# KiCad board sun3_60_layout2_routing2.kicad_pcb (continued)
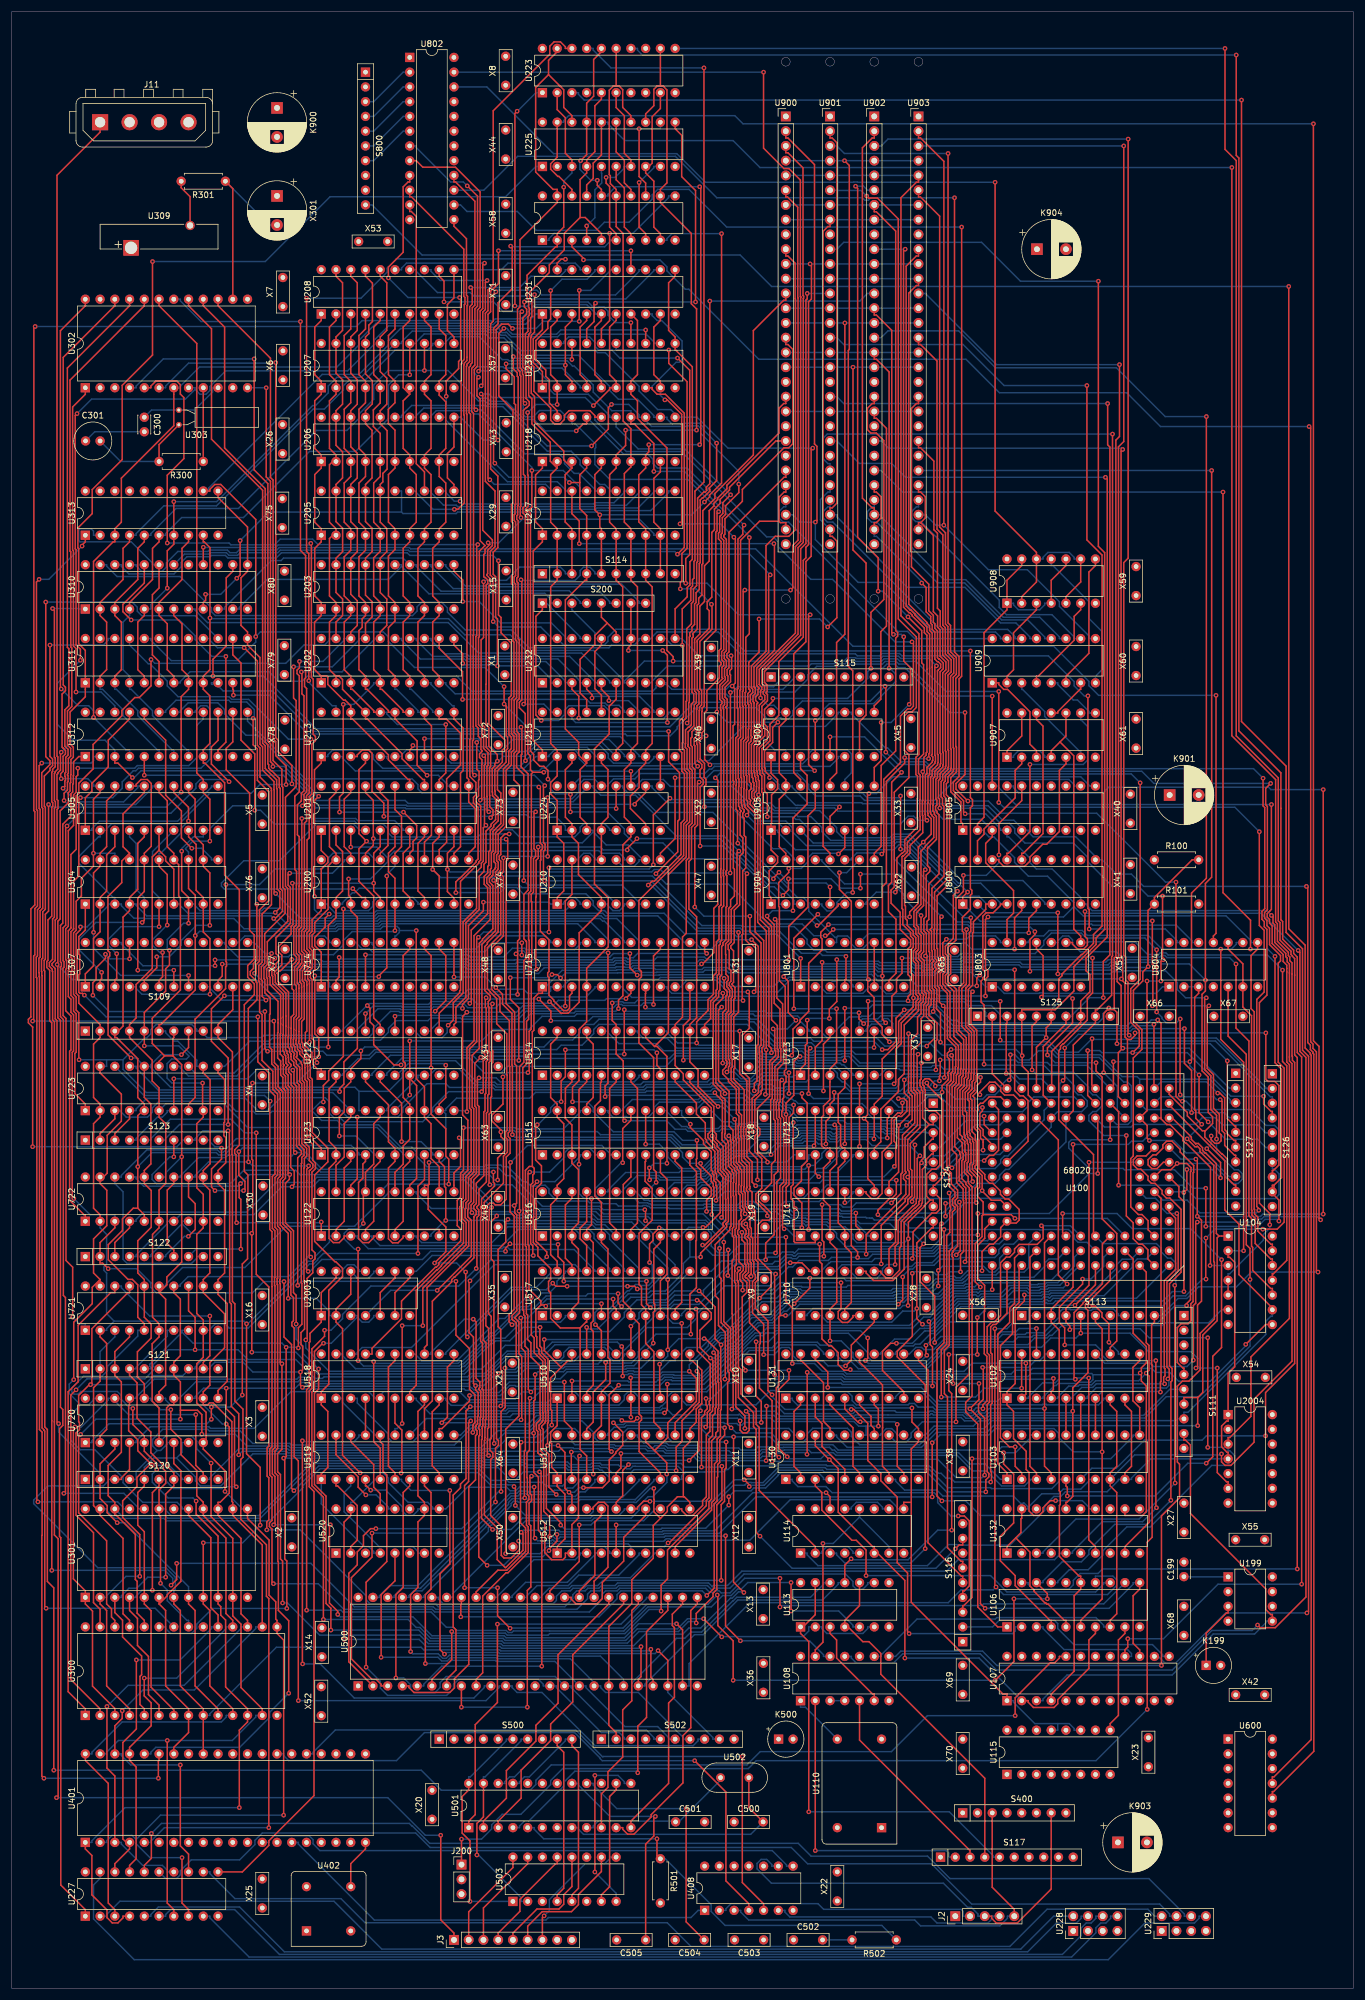
[diagram p0: board, top side]
## Nets (continued)
/sun3_60_mmu_diag/SA22: U200.15 U202.6 U203.6 U205.6 U206.6 U207.6 U208.6 U213.13
/sun3_60_mmu_diag/SA23: U200.14 U202.7 U203.7 U205.7 U206.7 U207.7 U208.7 U213.12
/sun3_60_mmu_diag/SA24: U200.13 U202.8 U203.8 U205.8 U206.8 U207.8 U208.8 U213.11
/sun3_60_mmu_diag/TYPE0X: S200.3 U215.16 U232.16
/sun3_60_mmu_diag/TYPE1X: S200.1 U215.15 U232.17
/sun3_60_mmu_diag/WE.PMAP0-: U202.11 U231.13 U232.2
/sun3_60_mmu_diag/WE.PMAP2-: U205.11 U206.11 U231.15
/sun3_60_mmu_diag/WE.PMAP3-: U207.11 U208.11 U231.17
/sun3_60_mmu_diag/WE.SMAP-: U200.12 U201.12 U231.18
/sun3_60_mmu_diag/WE.STAT-: U203.11 U232.18
/sun3_60_mmu_diag/WR.CX-: U210.9 U230.19
/sun3_60_mmu_diag/WR.DIAG-: U227.11 U230.13
/sun3_60_mmu_diag/WR.SYSEN-: U225.11 U230.17
/TEST0-: S116.2 U107.13
/TEST1-: S116.3 U102.11 U103.11
/TEST2-: S116.4 U130.1
/TEST3-: S116.5 U131.11
/TEST4-: S116.6 U310.13 U311.13 U313.11 U715.14
/TEST6-: S116.8 U714.11
/V.INT-: U307.10 U805.12
/WDOG-: U107.14 U223.3
/WRITE-: U104.6 U122.1 U230.7 U231.7 U232.7 U311.9 U312.9 U313.9 U710.3 U711.3 U712.3 U713.3 U800.7
/XACK-: U130.15 U131.7 U518.7 U715.7
Net-(C300-Pad2): C300.2 C301.1
Net-(C301-Pad2): C301.2 R300.2 U303.1
Net-(C502-Pad2): C502.2 R502.2
Net-(J2-Pin_2): J2.2 U408.2
Net-(J2-Pin_3): J2.3 S400.7 U408.9
Net-(J2-Pin_4): J2.4 U408.6
Net-(J2-Pin_5): J2.5 S400.3 U408.3
Net-(U100-RESET-): U100.27
Net-(U108-Pad3): U108.3 U108.4
Net-(U110-OUT): U108.1 U110.8
Net-(U199-CT): K199.1 U199.3
Net-(U199-REF): C199.1 U199.1
Net-(U225-Q1): U225.5 U226.4
Net-(U225-Q2): U225.6 U226.7
Net-(U225-Q4): U225.12 U226.13
Net-(U225-Q5): U225.15 U226.14
Net-(U302-OIN): C300.1 U302.10 U303.2
Net-(U302-OOUT): R300.1 U302.9
Net-(U302-VBAK): R301.1 U302.14 X301.2
Net-(U309--): R301.2 U309.2
Net-(U401-PCLK): U401.20 U402.5
Net-(U401-RXDA): U401.13 U408.8
Net-(U401-RXDB): U401.27 U408.4
Net-(U401-TXDA): U401.15 U408.1
Net-(U401-TXDB): U401.25 U408.5
Net-(U501-PF): C505.1 U501.17
Net-(U501-RF): C504.1 U501.16
Net-(U501-TSEL): R501.1 R502.1 U501.5
Net-(U501-X1): C500.2 U501.8 U502.2
Net-(U501-X2): C501.1 U501.9 U502.1
Net-(U803-D1): U108.11 U803.9

Pads without a net: J200 3; S111 2 3 4 10; S113 7 9; S114 10; S115 4 5 6 7 8 9 10; S116 7 9 10; S117 6 7 8 9 10; S120 10; S121 10; S122 10; S123 10; S124 10; S125 10; S126 10; S127 10; S400 1 2 5 6; S500 2 3 4 5 8; S502 4; S800 8 9; U100 14 29 42 54 65 77 78 81 120 141 169; U102 15 16; U103 12 13 19; U106 16; U107 17 18 19 21 22 23; U110 1; U113 8; U114 11 15; U115 1 2 3 4 5 6 7 15; U199 6; U210 14; U225 2; U307 16 17 18 19 20; U311 19; U312 11; U313 13 14 16 17; U401 6 10 11 14 16 17 23 24 26 29 30; U402 1; U408 10 11 12 13; U500 12 13; U503 3 6 11 14; U518 16; U520 3 6 11 14; U600 1 2 3 4 5 6 8 9 12 13; U714 16; U715 15 22; U805 13 14 15 19; U900 19; U901 19; U902 19; U903 19; U906 12; U2004 8 9 10 11 12 13

## Via types
v1: diameter 0.8, hole 0.4, Top to Bottom, 1275 vias

## Routing (per net, layer and track width the routed paths; a pad name or vN(x,y) marks a point on that pad's centre or on a via; arc(x,y) is an arc through that point)
+12V: length 380.9
  Top w0.25: J11.1 15.24,319.6 7.82,312.18 7.82,212.18 7.96,212.03 7.96,209.94 7.51,209.49 7.51,209.34 7.37,209.2 7.37,204.5 7.54,204.33 7.54,203.35 7.37,203.18 7.37,184.43 7.06,184.12 7.06,177.17 6.51,176.62 6.51,175.97 7.01,175.47 7.01,175.15 7.06,175.1 7.06,166.76 7.37,166.44 7.37,97.54 7.37,97.54 7.37,78.07 8.01,77.42 8.01,33.12 v1(7.73,32.84) ; v1(73.92,26.37) 73.92,11.81 76.2,9.53 J3.1
  Bottom w0.25: v1(7.73,32.84) 64.8,32.84 71.27,26.37 v1(73.92,26.37)
/AS: length 233.4
  Top w0.25: U103.9 191.78,88.77 192.91,89.89 192.91,99.35 191.78,100.47 U102.9 ; U104.2 209.56,125.87 209.84,125.87 210.69,125.02 210.69,107.02 209.56,105.89 U2004.1 209.56,97.67 209.28,97.67 208.43,96.82 208.43,93.24 209.38,92.3 209.56,92.3 U2004.4 ; v1(212.23,127) 212.23,159.46 208.29,163.4 v1(208.29,178.93)
  Bottom w0.25: v1(212.23,127) U104.2 ; U114.1 137.03,74.94 137.03,74.66 138.9,72.79 157.75,72.79 161.38,76.42 162.87,76.42 162.96,76.32 171.97,76.32 177.96,82.31 177.96,83.12 179.55,84.71 180.73,84.71 181.54,85.51 188.72,85.51 190.66,87.45 190.66,87.64 U103.9 192.91,87.64 192.91,87.87 196.22,91.18 U2004.4 ; 174,180.08 175.13,180.08 175.13,180.26 176.09,181.22 177.79,181.22 178.73,182.15 184.44,182.15 185.29,181.3 195.8,181.3 198.17,178.93 v1(208.29,178.93) 210.11,178.93 210.97,179.79 210.97,180.08 U804.9
/AS-: length 145.9
  Top w0.25: 204.32,101.73 205.2,102.61 205.2,112.49 207.67,114.96 207.67,129.23 207.98,129.54 ; 204.32,101.73 v1(204.32,96.89) ; 204.32,101.73 201.94,101.73 S111.7 ; U100.131 199.94,149.86 203.23,146.57 203.23,146.18 203.99,145.42 204.05,145.48 204.43,145.48 205.16,144.75 205.16,144.28 205.58,143.85 205.68,143.85 207.53,142 207.53,129.99 207.98,129.54 ; U104.1 207.98,129.54 ; U131.19 135.91,108.09 136.05,108.09 139.86,104.29 139.86,97.62 140.99,96.49 U130.17
  Bottom w0.25: U130.17 142.11,95.26 142.11,94.98 143.93,93.16 156.74,93.16 159.32,95.74 167.99,95.74 169.14,96.89 v1(204.32,96.89)
/BERR-: length 282.5
  Top w0.25: v1(79.09,97.7) 78.72,97.34 78.72,87.27 78.03,86.58 v1(78.03,68.98) ; v1(169.43,53.05) 172.66,56.28 v1(172.66,67.08) ; U100.106 195.41,143.33 193.87,143.33 193.24,142.69 193.24,141.79 193.96,141.06 194.53,141.06 195.76,139.82 195.76,139.19 196.34,138.61 196.96,138.61 198.19,137.39 198.19,136.82 198.94,136.07 199.52,136.07 201.46,134.14 201.46,123.33 199.46,121.34 199.46,107.2 199.91,106.75 199.91,104.65 199.7,104.43 v1(199.7,84.04) ; U106.18 178.42,67.98 v1(178.42,67.08) ; v1(121.56,67.74) 121.66,67.64 121.66,62.47 124.3,59.83 v1(124.3,53.05) ; v1(74.11,97.39) 75.07,98.36 75.07,106.97 76.2,108.09 U518.11 ; v1(85.87,62) 83.71,64.16 v1(83.71,68.98)
  Bottom w0.25: v1(78.03,68.98) v1(83.71,68.98) ; U106.18 177.67,69.86 177.67,70.14 180.97,73.44 184.28,73.44 185.58,74.74 185.58,75.46 190.02,79.9 195.55,79.9 v1(199.7,84.04) ; v1(178.42,67.08) v1(172.66,67.08) ; v1(74.11,97.39) 78.78,97.39 v1(79.09,97.7) ; v1(169.43,53.05) v1(124.3,53.05) ; v1(121.56,67.74) 119.96,66.14 109.43,66.14 105.33,62.04 85.91,62.04 v1(85.87,62)
/C.S3: length 280.7
  Top w0.25: v1(139.62,134.95) 139.62,128.81 139.92,128.51 v1(139.92,126.06) ; U904.1 130.82,187.83 130.5,188.15 130.5,192.4 131.95,193.85 131.95,194.9 130.82,196.02 U905.1 130.82,200.53 130.91,200.61 130.91,205.51 131.95,206.55 131.95,208.11 130.82,209.23 U906.1 ; U114.2 138.44,76.07 128.77,85.74 128.77,96.6 128.25,97.12 128.25,99.77 125.65,102.37 125.65,106.54 125.2,107 125.2,114.21 125.2,114.21 125.2,121.55 125.14,121.61 125.14,121.77 125.01,121.9 125.01,123.25 125.5,123.74 125.48,123.74 v1(125.3,123.92) ; v1(151.56,135.24) 153.19,136.87 153.19,140.19 153.46,140.46 153.46,140.55 153.46,146.89 155.58,149 155.58,153.84 155.58,153.84 155.58,153.95 154.95,154.57 154.95,155.93 154.95,155.93 154.95,163.3 156.06,164.41 156.06,167.23 156.67,167.84 156.67,169.55 157.04,169.93 157.04,170.87 157.12,170.94 157.12,171.12 156.79,171.45 156.79,174.92 156.77,174.94 156.77,176.74 156.24,177.27 156.24,178.25 156.48,178.49 156.48,178.5 156.67,178.68 156.67,181.29 156.22,181.74 156.22,182.74 155.88,183.07 155.88,185.23 157.1,186.45 157.1,192.32 v1(157.39,192.62)
  Bottom w0.25: 152,196.05 152.88,196.93 153.5,196.93 157.39,193.04 v1(157.39,192.62) ; 152,196.05 135.02,196.05 131.95,199.12 131.95,199.4 U905.1 ; 152,196.05 152,194.51 162.89,183.62 164.88,183.62 165.24,183.26 186.03,183.26 186.22,183.07 200.62,183.07 203.35,180.34 203.35,180.08 U804.12 ; v1(139.92,126.06) 135.64,126.06 135.22,125.64 134.49,125.64 134.29,125.83 134.19,125.83 134.17,125.81 133.53,125.81 132,124.28 125.65,124.28 v1(125.3,123.92) ; v1(139.62,134.95) 142.81,134.95 143.23,134.52 144.79,134.52 145.51,135.24 v1(151.56,135.24) ; U114.2 139.57,74.94 139.57,75.22 140.42,76.07 144.09,76.07 144.94,75.22 144.94,74.94 U114.5
/C.S3-: length 415.8
  Top w0.25: U230.8 110.35,275.6 110.35,275.32 111.19,274.47 112.62,274.47 115.88,271.21 115.88,248.12 v1(114.7,246.94) ; U805.3 168.93,198.27 167.8,197.15 167.8,193.82 172.6,189.02 172.6,185.15 171.47,184.02 U803.13 ; v1(155.16,123.12) 155.16,112.29 152.56,109.69 152.56,108.75 157.38,103.93 v1(157.38,75.72) ; v1(163.46,123.38) 163.46,126.36 163.99,126.88 163.99,135.69 163.92,135.76 163.92,137.62 162.79,138.75 162.79,143.57 162.02,144.35 162.02,155.21 162.65,155.84 162.65,155.88 162.74,155.97 162.74,157.23 163.02,157.51 163.02,158.48 163.1,158.56 163.1,162.3 161.65,163.75 161.65,171.49 160.85,172.29 160.85,172.49 160.4,172.94 160.4,174.62 160.85,175.08 160.85,177.49 160.4,177.94 160.4,180.01 v1(161.03,180.64) ; v1(130.68,243.38) 130.41,243.11 130.41,230.03 127.89,227.51 127.89,224.15 127.89,224.14 127.89,224.11 128.12,223.89 128.12,223.82 128.12,222.95 127.71,222.55 127.71,221.57 127.89,221.39 127.89,221.31 127.89,216.9 128.08,216.71 127.82,216.45 127.82,215.85 128.18,215.5 128.18,215.39 127.83,215.05 127.83,214.55 127.44,214.16 127.44,209.26 127.55,209.15 127.55,208.51 127.73,208.34 127.73,207.72 127.88,207.57 127.88,207.11 127.86,207.09 127.86,206.36 127.49,206 127.49,205.02 128.02,204.5 v1(128.02,204.1)
  Bottom w0.25: U805.3 167.03,201.29 160.47,201.29 159.07,202.69 142.31,202.69 141.76,203.24 135.26,203.24 135.26,203.25 131.58,203.25 130.72,204.1 v1(128.02,204.1) ; U310.18 29.78,246.96 34.01,246.96 34.25,247.2 36.98,247.2 37.44,246.75 38.91,246.75 39.37,247.2 45.85,247.2 46.29,247.63 51.05,247.63 51.05,247.63 52.03,247.63 52.03,247.63 68.33,247.63 68.56,247.4 114.24,247.4 v1(114.7,246.94) 127.12,246.94 v1(130.68,243.38) ; v1(161.03,180.64) 164.48,180.64 165.06,181.21 169.48,181.21 170.34,180.36 170.34,180.08 U803.13 ; U231.8 110.35,288.3 110.35,288.02 111.19,287.17 111.98,287.17 115.5,283.65 115.5,280.45 115.02,279.98 114.46,279.98 110.35,275.86 110.35,275.6 U230.8 ; U114.3 142.11,74.94 142.11,74.66 143.53,73.24 154.9,73.24 v1(157.38,75.72) ; v1(163.46,123.38) 161.55,123.38 161.05,122.89 159.29,122.89 158.78,123.4 155.43,123.4 v1(155.16,123.12)
/C.S5: length 37.9
  Top w0.25: U108.13 138.44,58.29 139.76,59.6 v1(139.76,76.61)
  Bottom w0.25: v1(139.76,76.61) 141.53,76.61 146.06,81.15 ; U114.7 151.15,76.07 146.06,81.15 ; 146.06,81.15 U114.12
/CAS-: length 274.8
  Top w0.25: U104.13 217.18,128.13 216.93,128.13 214.67,130.38 214.67,132.78 214.11,133.34 214.11,134.13 214.05,134.19 214.05,168.15 213.51,168.69 213.51,177.82 214.64,178.95 U804.8 ; U908.10 181.62,244.99 179.09,242.45 U908.4 ; U908.13 174,244.99 171.47,242.45 U908.1 171.47,237.37 167.51,233.42 167.51,201.65 166.38,200.53 U805.2 ; v1(168.19,184.48) 167.76,184.04 167.76,175.62 168.18,175.19 168.18,174.21 167.76,173.79 v1(167.76,170.87)
  Bottom w0.25: U908.4 177.96,238.5 177.96,238.21 177.11,237.37 173.44,237.37 172.59,238.21 172.59,238.5 U908.1 ; U805.2 167.51,199.4 167.51,199.12 168.36,198.27 169.19,198.27 172.77,194.7 172.77,193.88 175.16,191.49 178.46,191.49 182.99,186.96 182.99,186.27 ; v1(168.19,184.48) 181.2,184.48 182.99,186.27 ; U715.6 105.27,172.46 105.27,172.18 106.82,170.63 122.83,170.63 123.03,170.83 154.61,170.83 155.11,171.33 159.28,171.33 159.74,170.87 v1(167.76,170.87) ; U804.8 213.51,180.08 213.51,180.35 209.21,184.66 184.59,184.66 182.99,186.27
/CDIS-: length 55.2
  Top w0.25: S111.5 201.94,106.81 201.76,106.81 200.82,107.76 200.82,113.77 201.48,114.43 202.66,114.43 203.13,114.9 203.13,117.87 203.52,118.26 203.52,140.41 203.62,140.51 203.62,141.68 201.3,144.01 201.3,144.46 199.89,145.87 198.95,145.87 198.32,145.23 198.32,144.67 197.16,143.51 196.6,143.51 195.78,142.69 195.78,141.79 196.41,141.15 197.32,141.15 198.4,142.24 U100.92
/CLK: length 325
  Top w0.25: v1(125.54,59.85) 122.99,62.41 v1(122.99,77.94) ; v1(92.68,77.79) 92.68,81.12 91.66,82.14 91.66,91.19 90.65,92.2 90.65,95.89 90.4,96.15 90.4,97.29 91.09,97.98 91.09,98.9 91.04,98.95 91.04,107.16 89.46,108.74 89.46,111.16 88.89,111.72 88.89,115.94 88.67,116.15 88.67,127.69 88.51,127.86 88.51,133.27 88.58,133.34 88.58,134.32 88.51,134.39 88.51,140.84 89.19,141.52 89.7,141.52 ; U2003.8 68.58,122.34 66.04,119.8 U2003.6 ; U715.1 91.44,171.33 90.77,171.33 89.97,170.53 89.97,164.97 89.7,164.7 89.7,141.52 ; v1(89.87,126.19) 89.78,126.28 89.78,127.86 89.41,128.23 89.41,132.9 89.48,132.97 89.48,134.69 89.41,134.76 89.41,138.35 89.78,138.71 89.78,140.05 90.02,140.3 90.02,141.2 89.7,141.52
  Bottom w0.25: v1(92.68,77.79) 93.29,77.79 93.64,77.44 94.24,77.44 94.52,77.71 112.43,77.71 112.59,77.88 122.93,77.88 v1(122.99,77.94) ; v1(89.87,126.19) 72.43,126.19 69.71,123.47 U2003.8 ; v1(125.54,59.85) 137.45,59.85 139.86,57.44 139.86,57.16 U108.12 ; U804.1 198.27,172.46 197.13,171.32 177.79,171.32 177.7,171.41 177.1,171.41 177,171.32 171,171.32 169.86,172.46 U803.1 167.8,172.46 165.32,174.94 159.45,174.94 158.95,174.44 155.2,174.44 154.59,175.05 149.23,175.05 148.78,175.5 125.37,175.5 125.27,175.4 123.62,175.4 123.25,175.77 119.26,175.77 118.91,175.43 110.94,175.43 110.72,175.65 107.28,175.65 106.99,175.36 105.46,175.36 105.41,175.4 104.3,175.4 104.19,175.29 94.84,175.29 92,172.46 U715.1
/CLK-: length 572.6
  Top w0.25: U804.5 209.56,163.96 212.69,160.82 212.69,128.05 213.33,127.4 v1(213.33,122.06) ; v1(90.02,86.33) 90.02,77.67 v1(90.17,77.52) ; U114.9 153.69,83.69 154.98,83.69 ; v1(3.62,166.55) 3.8,166.73 3.8,177.75 4,177.95 4,185.91 4.46,186.36 4.46,202.8 4.28,202.98 4.28,242.16 v1(4.74,242.61) ; U313.1 12.7,249.07 12.14,248.51 v1(12.14,248.34) ; v1(47.65,118.81) 47.65,130 46.72,130.93 46.72,130.99 46.27,131.44 46.27,139.23 46.72,139.68 46.72,140.32 46.72,140.32 46.72,154.36 46.47,154.61 46.47,154.67 46.38,154.76 46.38,154.77 45.9,155.24 45.9,158.75 45.26,159.39 45.26,166.45 v1(45.17,166.55) ; 154.98,83.69 154.98,92.89 156.22,94.13 156.22,96.39 155.1,97.52 v1(155.1,99.94) ; 154.98,83.69 154.98,66.48 170.79,50.67 171.47,50.67 U107.1 ; v1(60.03,88.76) 57.01,91.79 57.01,113.59 55.88,114.72 U2003.2 55.88,116.97 58.42,119.51 U2003.12
  Bottom w0.25: U115.11 183.04,44.46 183.04,44.74 182.19,45.59 180.21,45.59 ; v1(213.33,122.06) 213.33,110.59 204.63,101.89 198.91,101.89 195.23,98.21 168.68,98.21 168.19,97.72 166.58,97.72 165.67,96.82 158.91,96.82 157.35,95.26 156.22,95.26 ; U131.1 134.49,101.6 134.49,101.32 135.39,100.42 144.94,100.42 145.42,99.94 v1(155.1,99.94) ; U107.1 172.59,49.54 172.59,49.26 176.26,45.59 180.21,45.59 ; 180.21,45.59 180.21,44.46 U115.13 ; U114.9 152.56,82.56 152.56,82.84 151.26,84.14 134.14,84.14 127.17,77.17 113.64,77.17 113.38,77.43 112.78,77.43 112.53,77.17 112.52,77.17 112.33,76.99 93.45,76.99 93.22,77.22 93.14,77.22 92.98,77.07 90.63,77.07 v1(90.17,77.52) ; v1(4.74,242.61) 6.41,242.61 v1(12.14,248.34) ; v1(60.03,88.76) 60.06,88.79 63.96,88.79 64.91,87.84 64.91,87.09 68.32,83.69 71.69,83.69 72.53,82.84 72.53,82.56 U520.9 74.79,82.56 78.51,86.28 85.28,86.28 85.88,85.68 86.85,85.68 87.49,86.33 v1(90.02,86.33) ; U2003.10 62.37,123.47 62.37,123.18 61.51,122.32 59.57,122.32 U2003.12 ; U2003.2 54.75,115.84 54.75,116.55 52.49,118.81 v1(47.65,118.81) ; v1(3.62,166.55) v1(45.17,166.55)
/CX0: length 107.1
  Top w0.25: U201.1 53.34,195.91 54.47,194.79 54.47,193.85 53.34,192.73 53.34,187.83 U200.1 53.34,185.57 51.76,183.99 51.76,182 51.31,181.55 51.31,179.16 51.79,178.68 51.79,175.71 51.31,175.23 51.31,175.13 51,174.82 51,173.85 51.31,173.54 51.31,172.95 51.31,172.95 51.31,162.95 v1(51.33,162.93)
  Bottom w0.25: U200.1 54.47,186.7 54.47,186.42 55.76,185.12 62.42,185.12 62.87,185.57 95.39,185.57 U210.2 ; U723.13 31.65,157.59 38.31,157.59 43.32,162.59 50.99,162.59 v1(51.33,162.93)
/CX1: length 119.5
  Top w0.25: v1(54.56,162.08) 54.56,183.02 55.88,184.34 U200.2 55.88,187.83 57.01,188.95 57.01,195.75 55.88,196.88 U201.2
  Bottom w0.25: U723.14 29.07,158.76 29.07,158.49 30.46,157.09 38.79,157.09 43.78,162.08 v1(54.56,162.08) ; U210.5 101.32,189.52 87.92,189.52 87.45,189.99 84.51,189.99 83.95,189.43 59.87,189.43 59.08,188.64 58.69,188.64 57.01,186.95 57.01,186.7 U200.2
/CX2: length 138.5
  Top w0.25: v1(56.5,154.4) 56.5,154.96 57.24,155.69 57.24,159.52 59.56,161.85 59.56,184.43 58.42,185.57 U200.3 58.42,187.83 58.05,188.19 v1(58.05,191.03) ; U201.3 v1(58.42,196.51)
  Bottom w0.25: v1(58.05,191.03) 61.82,191.03 64.77,193.98 64.77,194.65 ; 64.77,194.65 65.92,195.8 91.02,195.8 91.12,195.9 101.15,195.9 101.6,195.45 104.7,195.45 105.55,194.6 105.55,194.32 U210.11 ; 64.77,194.65 62.92,196.51 v1(58.42,196.51) ; U723.17 21.45,158.76 21.45,158.48 25.23,154.7 56.21,154.7 v1(56.5,154.4)
/DDIS-: length 43.1
  Bottom w0.25: U131.12 154.62,109.22 155.77,110.36 156.77,110.36 157.15,109.99 158.85,109.99 160.64,111.78 169.88,111.78 170.7,112.6 172.12,112.6 172.17,112.55 173.15,112.55 173.2,112.61 174.61,112.61 174.89,112.88 177.76,112.88 180.5,115.62 180.5,116.4 181.07,116.98 182.31,116.98 182.43,116.86 183.44,116.86 183.56,116.98 185.16,116.98 185.4,116.74 186,116.74 186.24,116.98 189.8,116.98 190.66,116.13 190.66,115.84 S113.8
/DIAG-: length 520
  Top w0.25: J200.1 v1(77.5,25.7) ; v1(225.04,123.33) 224.77,123.61 224.77,161.25 224.18,161.84 224.18,162.59 223.78,162.99 223.78,268.65 v1(223.51,268.92) ; v1(98.51,297.61) 98.51,297.88 96.52,299.87 U226.3 ; S113.10 196.87,114.72 196.38,114.23 196.38,107.4 196.47,107.31 196.47,77.67 195.62,76.83 v1(195.62,48.04)
  Bottom w0.25: S113.10 197.99,115.84 200.93,118.79 202.45,118.79 204.46,120.79 210.99,120.79 213.53,123.33 v1(225.04,123.33) ; v1(77.5,25.7) 80.94,25.7 82.69,27.46 82.69,28.16 84.5,29.97 87.73,29.97 92.85,35.09 92.85,35.78 94.92,37.85 126.91,37.85 128.27,39.21 186.79,39.21 v1(195.62,48.04) ; v1(98.51,297.61) 111.69,297.61 112.89,296.41 112.89,295.73 116.06,292.56 116.65,292.56 128.72,280.5 164.41,280.5 170.17,274.74 192.09,274.74 197.91,268.92 v1(223.51,268.92)
/DIS.RAS-: length 88.1
  Top w0.25: v1(186.81,159.39) 186.81,157.95 187.85,156.9 187.85,132.49 190.37,129.98 190.37,111.47 189.25,110.35 U102.13 ; v1(182.76,170.42) 182.76,166.26 178.43,161.93 v1(178.43,160.71) ; U803.11 176.55,178.95 177.69,177.81 177.69,170.98 v1(177.4,170.69)
  Bottom w0.25: v1(178.43,160.71) 179.76,159.39 v1(186.81,159.39) ; v1(182.76,170.42) 182.32,170.86 177.58,170.86 v1(177.4,170.69)
/DISACC-: length 243.8
  Top w0.25: v1(185.41,222.55) 185.41,185.94 185.63,185.72 v1(185.63,182.41)
  Bottom w0.25: U804.13 200.81,180.08 200.81,180.34 198.75,182.41 v1(185.63,182.41) ; v1(185.41,222.55) 184.77,222.55 183.04,224.28 183.04,224.99 178.6,229.44 153.37,229.44 152.97,229.83 149.91,229.83 149.52,229.44 145.69,229.44 145.34,229.78 125.48,229.78 121.72,233.55 111.19,233.55 110.35,232.7 110.35,232.42 U232.13 108.09,232.42 108.09,232.14 107.23,231.27 103.34,231.27 102.89,230.82 89.14,230.82 86.06,233.9 78.15,233.9 75.07,236.97 75.07,237.68 74.11,238.64 70.61,238.64 69.85,237.88 69.85,237.15 69.07,236.37 35.09,236.37 34.43,237.03 34.43,237.69 29.03,243.09 18.17,243.09 16.37,244.89 16.37,245.12 U310.23
/DMA: length 272.5
  Top w0.25: v1(44.54,152.76) 44.46,152.69 44.46,130.69 44.86,130.3 44.86,122.58 44.84,122.56 44.84,120.84 44.86,120.82 44.86,93.26 44.46,92.87 44.46,88.4 44.86,88 44.86,80.58 44.41,80.12 44.41,79.52 44.86,79.07 44.86,69.92 v1(45.11,69.68) ; v1(132.36,65.66) v1(132.36,70.61)
  Bottom w0.25: U723.18 22.79,153.75 43.56,153.75 v1(44.54,152.76) ; v1(132.36,70.61) 126.28,70.61 123.76,68.09 122.23,68.09 121.86,68.47 121.26,68.47 120.98,68.19 120.25,68.19 119.55,68.9 104.77,68.9 104.31,68.45 102.32,68.45 101.75,67.88 101.75,67.04 99.53,64.81 72.89,64.81 72.44,65.26 60.74,65.26 60.74,65.26 57.24,65.26 52.82,69.68 v1(45.11,69.68) ; v1(132.36,65.66) 132.61,65.92 167.13,65.92 167.42,66.21 188.13,66.21 U106.12
/DS-: length 435.3
  Top w0.25: 87.5,133.83 v1(87.4,133.83) ; 87.5,133.83 87.5,116.3 86.69,115.48 86.69,115.45 87.38,114.76 87.38,109.29 87.87,108.8 87.87,98.01 v1(87.76,97.9) ; 87.5,133.83 87.5,158.71 88.25,159.46 88.25,176.98 88.7,177.43 88.7,180.22 88.61,180.31 88.61,180.34 88.25,180.7 88.25,188.37 88.97,189.09 88.97,209.11 87.78,210.31 87.78,212.37 87.9,212.49 87.9,217.01 v1(87.74,217.16) ; U100.144 199.41,152.09 208.98,142.51 208.98,134.03 211.43,131.59 211.43,122.9 216.92,117.4 217.18,117.4 U104.9 ; U310.14 38.1,243.99 36.97,242.87 36.97,231.14 34.69,228.85 v1(34.69,225.95) ; v1(123.94,96.51) 123.34,97.12 123.34,104.33 123.62,104.62 123.62,106.02 123.39,106.25 123.39,113.46 122.22,114.63 122.22,122.23 121.94,122.51 v1(121.94,127.43)
  Bottom w0.25: U519.11 77.33,95.26 77.33,95.27 79.04,96.98 79.39,96.98 79.81,97.4 80.31,97.9 v1(87.76,97.9) ; v1(87.74,217.16) 87.47,216.89 52.42,216.89 43.36,225.95 v1(34.69,225.95) ; v1(87.4,133.83) 87.56,133.99 89.95,133.99 90.19,133.75 100.63,133.75 101.48,132.9 109.63,132.9 110.28,132.25 119.58,132.25 120.5,131.33 120.5,130.65 121.94,129.21 v1(121.94,127.43) ; v1(123.94,96.51) 124.82,95.64 130.82,95.64 132.36,94.1 136.38,94.1 137.09,94.81 137.09,95.52 138.01,96.45 143.97,96.45 144.65,95.76 144.65,95.05 146.09,93.61 156.43,93.61 159.19,96.37 167.47,96.37 168.86,97.76 200.51,97.76 200.82,98.06 S111.8 201.94,99.19 202.65,99.19 216.05,112.6 216.05,114.87 216.9,115.71 217.18,115.71 U104.9
/DSACK0-: length 681.2
  Top w0.25: v1(168.93,222.51) U805.18 ; v1(206.05,93.15) v1(206.05,112.03) ; U2004.3 209.56,94.84 209.84,94.84 213.49,98.49 213.49,108.73 220.12,115.35 220.12,159.04 219.66,159.5 219.66,175.02 219.66,175.02 219.66,175.63 219.66,175.63 219.66,176.19 219.04,176.82 219.04,178.01 217.15,179.91 217.15,182.95 216.69,183.4 216.69,184.05 216.29,184.45 216.29,185.05 216.72,185.48 217.02,185.78 v1(217.02,203.84) ; v1(42.05,232.76) 42.05,252.92 36.03,258.95 34.99,258.95 34.15,258.1 34.15,257.82 U313.12 ; v1(182.28,113.41) 182.28,114.06 181.62,114.72 S113.4 181.62,117.1 185.59,121.07 v1(185.59,142.24) ; v1(78.43,150.96) 78.43,161.94 79.66,163.17 79.66,181.26 82.45,184.05 82.45,189.7 81.86,190.29 81.86,191.27 82.47,191.88 82.47,192.69 82.64,192.86 82.64,195.52 82.92,195.8 82.92,199.19 84.28,200.55 84.28,205.8 83.69,206.4 83.69,209.65 85.18,211.14 85.18,213.2 85.44,213.45 85.44,215.44 85.21,215.66 85.21,220.76 v1(84.84,221.13) v1(84.84,224.13)
  Bottom w0.25: U313.12 33.96,257.82 33.96,258.35 53.51,277.9 59.84,277.9 64.91,282.97 64.91,283.7 67.01,285.79 81.99,285.79 82.22,285.57 83.34,285.57 83.57,285.8 83.93,285.8 84.07,285.66 84.07,285.52 84.49,285.09 85.1,285.09 85.15,285.15 85.25,285.15 85.75,284.64 85.78,284.64 86.06,284.37 94.07,284.37 94.52,284.82 109.31,284.82 110.63,283.5 110.63,283.22 U230.12 ; v1(168.93,222.51) 159.73,222.51 154.22,228.02 152.83,228.02 152.38,228.48 150.47,228.48 150.02,228.02 144.18,228.02 143.78,227.63 138.68,227.63 137.18,226.12 137.18,225.45 134.94,223.21 128.73,223.21 126.97,221.44 117.63,221.44 113.41,217.22 88.75,217.22 v1(84.84,221.13) ; v1(84.84,224.13) 81.54,227.43 69.4,227.43 64.91,231.92 64.91,232.68 64.03,233.55 42.85,233.55 v1(42.05,232.76) 42.05,231.8 38.87,228.61 27.51,228.61 23.99,232.14 23.99,232.42 U311.20 ; v1(217.02,203.84) 172.95,203.84 170.05,206.74 170.05,207.02 U805.18 ; U2004.3 209.56,93.15 ; 209.56,93.15 v1(206.05,93.15) ; 209.56,93.15 209.56,92.59 209.84,92.59 210.69,91.74 210.69,90.69 210.05,90.05 206.74,90.05 196.14,79.45 192.09,79.45 187.97,75.33 187.97,74.61 185.45,72.09 182.2,72.09 180.21,70.09 180.21,69.86 U106.17 ; v1(206.05,112.03) 195.95,112.03 194.38,113.59 182.47,113.59 v1(182.28,113.41) ; U123.11 78.26,151.14 v1(78.43,150.96) ; U100.94 v1(185.59,142.24)
/DSACK1-: length 368.7
  Top w0.25: v1(225.95,206.4) v1(225.95,133.32) ; v1(207.7,106.81) 207.7,88.8 209.28,87.22 209.56,87.22 U2004.6 ; v1(204.02,106.81) 204.29,107.09 204.29,117.65 204.98,118.33 204.98,132.24 204.28,132.94 v1(204.25,132.94) 204.25,142.53 v1(204,142.78) ; U519.12 73.66,96.39 74.13,96.39 78.88,101.14 v1(78.88,102.08) ; S113.5 184.16,112.83 v1(184.18,112.82)
  Bottom w0.25: 204.35,106.81 204.35,108.44 203.15,109.64 195.85,109.64 192.67,112.82 v1(184.18,112.82) 183.34,111.98 179.01,111.98 177.41,110.39 161.41,110.39 157.72,106.7 145.86,106.7 144.64,107.91 143.21,107.91 142.15,108.97 142.15,109.68 141.08,110.76 139.28,110.76 138.79,111.25 131.94,111.25 130.99,110.29 126.81,110.29 125.27,108.75 125.06,108.75 119.49,103.18 104.92,103.18 104.87,103.13 103.8,103.13 103.28,103.66 86.86,103.66 86.72,103.8 85.78,103.8 85.12,103.14 85.12,103.01 84.2,102.08 v1(78.88,102.08) ; 204.35,106.81 v1(204.02,106.81) ; 204.35,106.81 v1(207.7,106.81) ; U805.17 172.59,207.02 172.59,206.74 173.48,205.85 188.02,205.85 188.99,206.82 216.52,206.82 216.93,206.4 v1(225.95,206.4) ; v1(225.95,133.32) 215.54,133.32 215.14,132.92 204.28,132.92 v1(204.25,132.94) ; U100.105 201.41,142.78 v1(204,142.78)
/DXACK-: length 135
  Top w0.25: v1(162.68,97.55) 162.68,103.51 164.97,105.79 164.97,137.84 164.38,138.43 164.38,138.73 163.69,139.43 163.69,142.51 163.91,142.73 163.91,143.72 163.78,143.86 163.78,145.06 163.74,145.09 163.74,145.63 162.92,146.45 162.92,154.84 163.55,155.47 163.55,155.51 163.64,155.6 163.64,156.86 163.92,157.14 163.92,158.1 164,158.18 164,163.39 162.76,164.64 162.76,172.01 162.11,172.66 161.97,172.66 161.31,173.32 161.31,174.25 161.76,174.7 161.76,177.86 161.31,178.32 161.31,179.25 161.97,179.91 162.09,179.91 162.68,180.49 162.68,187.59 163.96,188.88 v1(163.96,191.64) ; v1(170.08,195.16) 170.08,200.58 174,204.5 U805.16
  Bottom w0.25: U130.13 152.3,94.1 154.15,94.1 154.96,94.91 154.96,95.62 156.88,97.55 v1(162.68,97.55) ; v1(170.08,195.16) 170.08,193.82 167.89,191.64 v1(163.96,191.64)
/E.ACK-: length 134.9
  Top w0.25: U512.1 93.98,76.07 95.31,77.4 95.31,85.1 93.98,86.43 U511.1 93.98,88.77 93.03,89.72 93.03,93.77 92.85,93.95 92.85,95.77 93.98,96.9 U510.1 ; U519.9 73.66,88.77 72.46,89.97 72.46,99.27 73.66,100.47 U518.9
  Bottom w0.25: 77.93,100.39 77.93,100.15 78.65,99.43 79.32,99.43 79.33,99.45 85.11,99.45 85.53,99.86 89.75,99.86 89.87,99.98 111.6,99.98 111.95,100.33 112.08,100.33 112.89,101.13 112.89,101.79 113.82,102.73 119.75,102.73 122.15,105.13 122.15,105.2 122.57,105.63 122.87,105.63 127.08,109.84 131.32,109.84 132.28,110.8 138.56,110.8 139.86,109.5 139.86,109.22 U131.17 ; 77.93,100.39 78.43,100.89 83.73,100.89 83.84,101 84.56,101 84.79,100.77 89.37,100.77 89.49,100.89 92.33,100.89 93.04,101.6 U510.1 ; 77.93,100.39 75.71,100.39 74.79,101.32 74.79,101.6 U518.9